# Altium PCB SVPX_FMC_6U_SOM.PcbDoc (part 4 of 9) (continued)
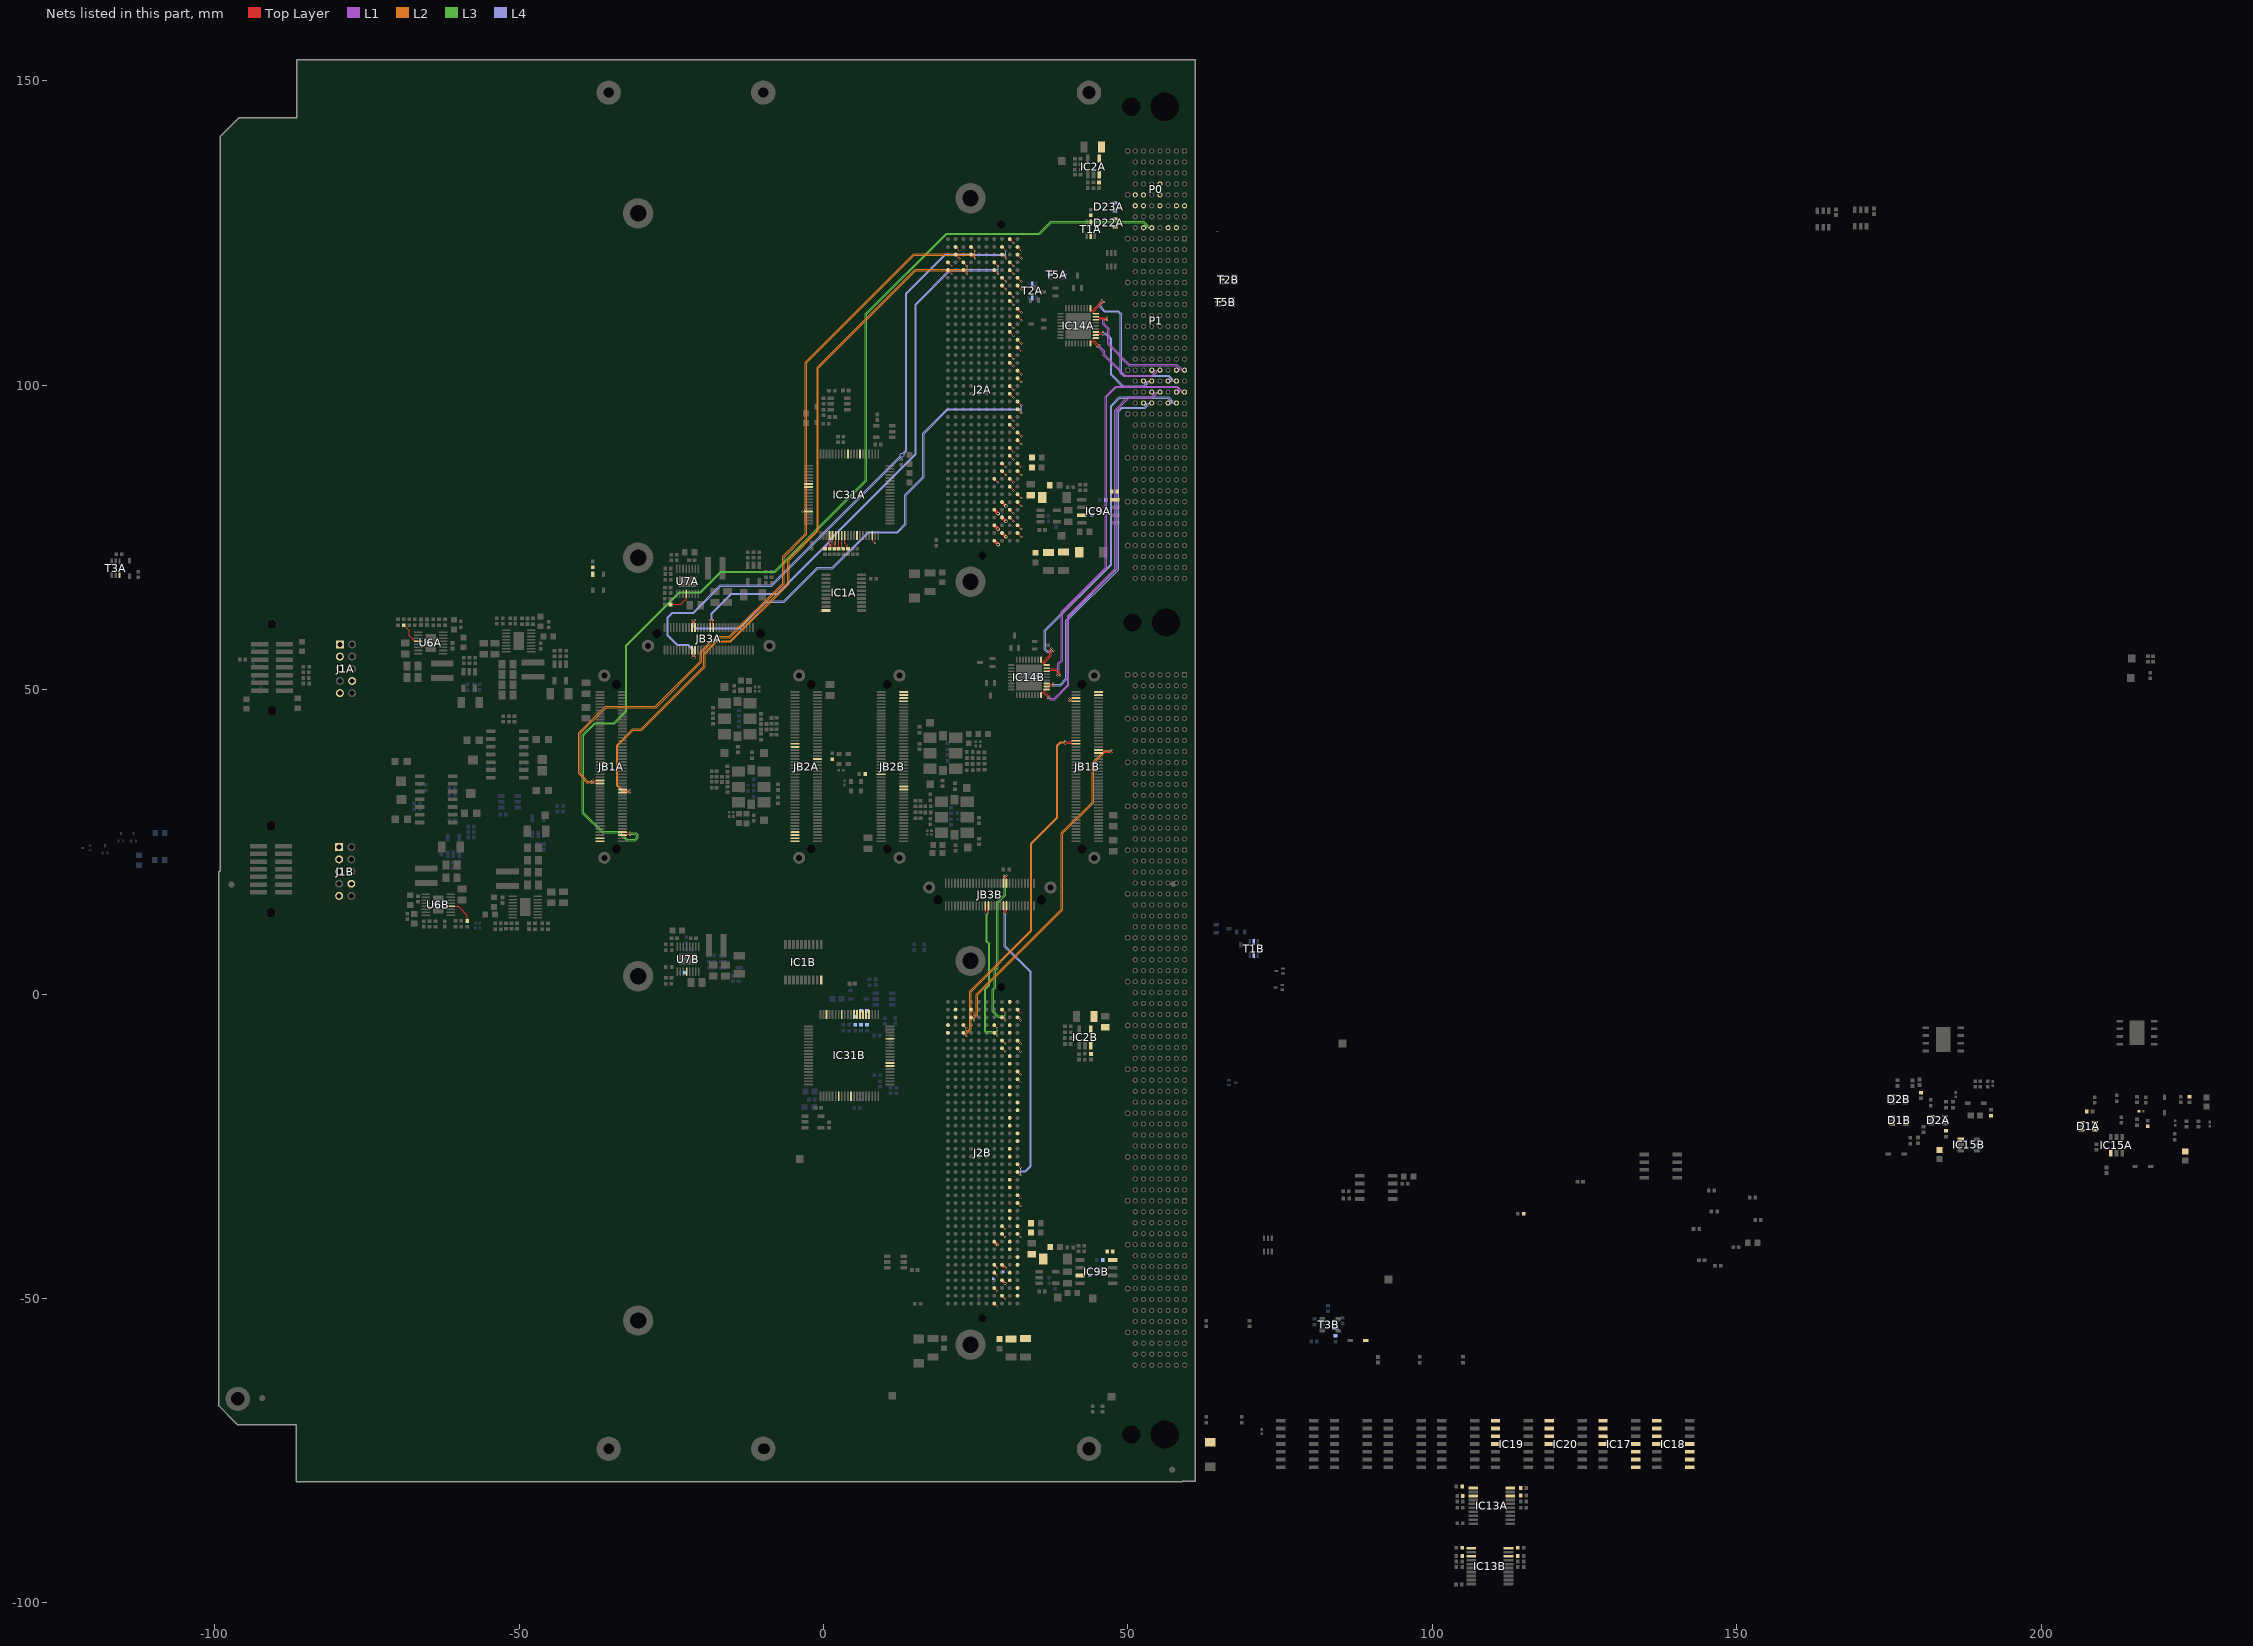
[diagram p12: the nets of this part, all layers, seen from the top]
## Part data (continued)
TP5A TP5B TP6A TP6B TP7A TP7B TP8A TP8B TP9A TP9B TP10A TP10B TP11A TP11B TP13A TP13B TP14A TP14B TP15 TP26: library part SMD_PAD_1.27X1.27MM, Author="CERN DEM JLC", ComponentHeight=0mm, Component Type="Standard (No BOM)", CreateDate=12.01.2008, Family="Test Point", HelpURL=Undefined, LatestRevisionDate=12.01.2008, Mounted=No, PackageDescription="1.27mm x 1.27mm PCB Copper Area (SMD Test Point)", Part Description="1.27mm x 1.27mm PCB Copper Area (SMD Test Point)", Part Number=SMD_PAD_1.27X1.27MM, Pin Count=1, Sense=No, SMD=Yes, Socket=No, Status=None
U1A U1B U6A U6B U7A U7B: library part CMP-0491-01209-1, "2.5 A Synchronous Step-Down Regulator 2.5 uA Quiescent Current, 16-pin SOP (MSE-16-EDP), -40 to 125 degC", Frequency Adjust Range="200kHz - 2.2MHz", Manufacturer="Linear Technology", ComponentLink1Description="Manufacturer URL", ComponentLink1URL=http://www.linear.com/, ComponentLink2Description=Datasheet, ComponentLink2URL=http://cds.linear.com/docs/en/datasheet/8610f.pdf, ComponentLink3Description="Package Specification", ComponentLink3URL=http://cds.linear.com/docs/en/packaging/05081667_F_MSE16.pdf, Mounting Technology="Surface Mount", Number of Outputs=1, PackageDescription="16-Pin Plastic MSOP, Exposed Die Pad, Body 4.039 x 3 mm, Pitch 0.5 mm", PackageReference=MSE-16, PackageVersion="Rev. F, 05/2013", PartNumber=LT8610IMSE, RoHS=FALSE
NT2: Author="CERN DEM JLC", ComponentHeight=0mm, Component Type="Net Tie", CreateDate=22.03.2011, Family="Net Tie", HelpURL=Undefined, LatestRevisionDate=22.03.2011, Mounted=No, PackageDescription="2 Plated Through Hole For Coaxial Cable Link: Hole Dia.=1.4mm Pad Dia.=2.5mm", Part Description="Net Tie (2 Nets)", Part Number="Net Tie", Pin Count=2, Sense=No, SMD=No, Socket=No, Status=None

## Free pads (board coordinates)
  round 4 hole 2.2: 0(-96.196,-66.485) 0(43.604,-74.685) 0(43.604,148.065)
  round 4 hole 1.7: 0(-35.296,-74.685) 0(-35.296,148.065) 0(-9.896,-74.685) 0(-9.896,148.065)
  round 2 hole 1.7: 10(-9.676,-74.685)

## Via types
v1: diameter 0.32, hole 0.16, Top Layer to Bottom Layer, 654 vias
v2: diameter 0.6, hole 0.3, Top Layer to Bottom Layer, 398 vias
v3: diameter 1, hole 0.5, Top Layer to Bottom Layer, 314 vias
v4: diameter 0.3, hole 0.2, Top Layer to Bottom Layer, tented both sides, 270 vias
v5: diameter 0.6, hole 0.5, Top Layer to Bottom Layer, 248 vias
v6: diameter 0.5, hole 0.2, Top Layer to Bottom Layer, 18 vias
v7: diameter 0.3, hole 0.2, Top Layer to Bottom Layer, 18 vias
v8: diameter 0.4, hole 0.3, Top Layer to Bottom Layer, tented both sides, 4 vias

## Nets (pads, with @x,y where several pads share a name; then routed paths per layer and width w, separated by ;. In a path a pad name is that pad's centre, name@x,y a point inside that pad or via, vN(x,y) a via of type N, cw(c..) or ccw(c..) an arc to the next point about the centre after c; other vN are vias at no path point)
3.3V_AUX: C174.2 C204A.2 C204B.2 IC2A.3 IC2A.4 IC2B.3 IC2B.4 P0.D5 R64A.1 R64B.1
3P3VA: C180A.2 C181A.1 C183A.2 C187A.1 J2A.c39 J2A.d36 J2A.d38 J2A.d40 L10A.2 | length 3.6
  Top Layer w0.5: J2A.d40@28.05,74.461 v2(28.685,73.826) ; J2A.d38@28.05,77.001 v2(28.685,76.366) ; J2A.d36@28.05,79.541 v2(28.685,78.906) ; J2A.c39@29.32,75.731 v2(29.955,75.096)
3P3VAUXA: C193A.2 J2A.d32 L3A.2 | length 0.9
  Top Layer w0.127: J2A.d32@28.05,84.621 v1(28.685,83.986)
3P3VAUXB: C193B.2 J2B.d32 L3B.2 | length 0.7
  Top Layer w0.5: J2B.d32@28.05,-40.658 v8(28.55,-41.158)
3P3VB: C180B.2 C181B.1 C183B.2 C187B.1 J2B.c39 J2B.d36 J2B.d38 J2B.d40 L10B.2 | length 2.8
  Top Layer w0.275: J2B.d40@28.05,-50.818 v4(28.55,-51.318) ; J2B.d38@28.05,-48.278 v4(28.55,-48.778) ; J2B.d36@28.05,-45.738 v4(28.55,-46.238) ; J2B.c39@29.32,-49.548 v4(29.82,-50.048)
12P0VA: C189A.2 C190A.1 C192A.2 J2A.c35 J2A.c37 L8A.2 | length 1.8
  Top Layer w0.5: J2A.c37@29.32,78.271 v2(29.955,77.636) ; J2A.c35@29.32,80.811 v2(29.955,80.176)
12P0VB: C189B.2 C190B.1 C192B.2 J2B.c35 J2B.c37 L8B.2 | length 1.4
  Top Layer w0.5: J2B.c37@29.32,-47.008 v8@29.82,-47.508 ; J2B.c35@29.32,-44.468 v8@29.82,-44.968
  other v8: 29.82,-47.521 29.82,-44.981
+12V_AUX_14: P0.D6
-12V_AUX_14: P0.D4
AIN15A: IC31A.7
AIN15B: IC31B.7
AIN16A: IC31A.27
AIN16B: IC31B.27
AIN17A: IC31A.28
AIN17B: IC31B.28
AUX_CLK_N: D23A.2 JB1B.95 P0.C8 | length 1.2
  Top Layer w0.118: v1(40.412,48.56) 40.499,48.472 40.715,48.472 40.842,48.6 JB1B.95@41.475,48.6
AUX_CLK_P: D23A.1 JB1B.93 P0.B8 | length 1.2
  Top Layer w0.118: v1(40.412,48.14) 40.499,48.228 40.715,48.228 40.842,48.1 JB1B.93@41.475,48.1
AUX_CLKA_N: D22A.1 JB1A.95 P0.F8 | length 176.8
  Top Layer w0.118: JB1A.95@-33,26.1 -32.367,26.1 -32.24,26.228 -31.942,26.228 -31.855,26.14 v1(-31.8,26.14)
  L3 w0.078: v1(-31.8,26.14) -31.734,26.14 -31.638,26.236 -30.884,26.236 -30.683,26.035 -30.683,25.73 -31.013,25.4 -32.258,25.4 -33.579,26.721 -36.271,26.721 -39.37,29.82 -39.37,42.469 -37.464,44.375 -34.323,44.375 -32.277,46.42 -32.277,57.232 -23.622,65.888 -20.168,65.888 -16.815,69.24 -7.958,69.24 7.111,84.31 7.111,111.632 20.245,124.766 35.485,124.766 37.414,126.695 52.49,126.695 53.115,126.07 53.115,125.911 53.07,125.865 P0.F8@52.554,125.865
AUX_CLKA_P: D22A.2 JB1A.93 P0.E8 | length 178.7
  Top Layer w0.118: JB1A.93@-33,26.6 -32.367,26.6 -32.24,26.472 -31.942,26.472 -31.855,26.56 v1(-31.8,26.56)
  L3 w0.078: v1(-31.8,26.56) -31.734,26.56 -31.638,26.464 -30.79,26.464 -30.455,26.129 -30.455,25.636 -30.919,25.172 -32.352,25.172 -33.673,26.493 -36.366,26.493 -39.598,29.725 -39.598,42.563 -37.558,44.602 -34.417,44.602 -32.505,46.514 -32.505,57.326 -23.716,66.115 -20.262,66.115 -16.909,69.468 -8.053,69.468 6.883,84.404 6.883,111.726 20.15,124.993 35.39,124.993 37.32,126.923 52.585,126.923 53.343,126.165 53.343,125.911 53.388,125.865 P0.E8@53.904,125.865
CLK0_M2CA_N: J2A.h5 JB1A.65 | length 120.2
  Top Layer w0.118: JB1A.65@-33,33.6 -32.367,33.6 -32.24,33.472 -31.942,33.472 ; J2A.h5@22.97,118.911 v1(23.605,118.276)
  L2 w0.069: v1(-31.8,33.56) -31.866,33.56 -31.966,33.46 -32.91,33.46 -33.772,34.322 -33.772,40.803 -31.225,43.35 -29.838,43.35 -19.415,53.773 -19.415,55.915 -17.5,57.83 -15.241,57.83 -5.648,67.423 -5.648,71.283 -0.828,76.103 -0.828,102.822 15.152,118.802 23.565,118.802 23.605,118.761 v1(23.605,118.276)
CLK0_M2CA_P: J2A.h4 JB1A.67 | length 120.9
  Top Layer w0.118: JB1A.67@-33,33.1 -32.367,33.1 -32.24,33.228 -31.942,33.228 ; J2A.h4@22.97,120.181 v1(23.605,119.546)
  L2 w0.069: v1(-31.8,33.14) -31.866,33.14 -31.966,33.24 -33,33.24 -33.991,34.231 -33.991,40.894 -31.316,43.569 -29.928,43.569 -19.634,53.863 -19.634,56.006 -17.591,58.049 -15.332,58.049 -5.868,67.513 -5.868,71.374 -1.047,76.194 -1.047,102.913 15.061,119.021 23.565,119.021 23.605,119.061 v1(23.605,119.546)
CLK0_M2CB_N: J2B.h5 JB1B.65 | length 57.9
  Top Layer w0.118: J2B.h5@22.97,-6.368 v4(23.47,-6.868) ; v1(39.7,41.14) 39.755,41.14 39.843,41.228 40.715,41.228 40.842,41.1 JB1B.65@41.475,41.1
  L2 w0.078: v4(23.47,-6.868) 23.47,-6.392 23.516,-6.347 23.675,-6.347 24.252,-5.77 24.252,0.401 34.238,10.388 34.238,24.713 38.497,28.972 38.497,40.744 38.989,41.236 39.539,41.236 39.635,41.14 v1(39.7,41.14)
CLK0_M2CB_P: J2B.h4 JB1B.67 | length 57.9
  Top Layer w0.118: J2B.h4@22.97,-5.098 v4(23.47,-5.598) ; v1(39.7,41.56) 39.755,41.56 39.843,41.472 40.715,41.472 40.842,41.6 JB1B.67@41.475,41.6
  L2 w0.078: v4(23.47,-5.598) 23.47,-6.073 23.516,-6.119 23.58,-6.119 24.024,-5.675 24.024,0.495 34.011,10.482 34.011,24.808 38.269,29.066 38.269,40.838 38.895,41.464 39.539,41.464 39.635,41.56 v1(39.7,41.56)
CLK1_M2CA_N: J2A.g3 JB1A.60 | length 129.3
  Top Layer w0.118: v1(-37.928,35.06) -37.874,35.06 -37.786,34.972 -37.46,34.972 -37.333,35.1 JB1A.60@-36.7,35.1 ; J2A.g3@24.24,121.451 v1(24.875,120.816)
  L2 w0.069: v1(-37.928,35.06) -37.994,35.06 -38.094,34.96 -38.81,34.96 -39.175,35.325 -39.175,35.475 -39.975,36.275 -39.975,42.8 -35.719,47.056 -27.509,47.056 -20.025,54.54 -20.025,56.138 -17.641,58.521 -15.382,58.521 -6.483,67.419 -6.483,71.783 -2.775,75.491 -2.775,103.675 14.892,121.342 24.835,121.342 24.875,121.301 v1(24.875,120.816)
CLK1_M2CA_P: J2A.g2 JB1A.62 | length 130.1
  Top Layer w0.118: v1(-37.928,34.64) -37.874,34.64 -37.786,34.728 -37.46,34.728 -37.333,34.6 JB1A.62@-36.7,34.6 ; J2A.g2@24.24,122.721 v1(24.875,122.086)
  L2 w0.069: v1(-37.928,34.64) -37.994,34.64 -38.094,34.74 -38.9,34.74 -39.394,35.234 -39.394,35.384 -40.194,36.184 -40.194,42.891 -35.81,47.275 -27.6,47.275 -20.244,54.631 -20.244,56.228 -17.732,58.74 -15.473,58.74 -6.703,67.51 -6.703,71.873 -2.994,75.582 -2.994,103.766 14.801,121.561 24.835,121.561 24.875,121.601 v1(24.875,122.086)
CLK1_M2CB_N: J2B.g3 JB1B.60 | length 57.1
  Top Layer w0.118: J2B.g3@24.24,-3.828 v4(24.74,-4.328) ; JB1B.60@45.175,39.6 45.808,39.6 45.935,39.728 46.184,39.728 47.152,39.728 47.24,39.64 v1(47.295,39.64)
  L2 w0.078: v4(24.74,-4.328) 24.74,-3.852 24.786,-3.807 24.945,-3.807 25.342,-3.409 25.342,-0.109 39.293,13.842 39.293,26.39 44.348,31.444 44.348,37.883 46.201,39.736 47.133,39.736 47.229,39.64 v1(47.295,39.64)
CLK1_M2CB_P: J2B.g2 JB1B.62 | length 57.1
  Top Layer w0.118: J2B.g2@24.24,-2.558 v4(24.74,-3.058) ; JB1B.62@45.175,40.1 45.808,40.1 45.935,39.972 46.285,39.972 47.152,39.972 47.24,40.06 v1(47.295,40.06)
  L2 w0.078: v4(24.74,-3.058) 24.74,-3.533 24.786,-3.579 24.85,-3.579 25.115,-3.315 25.115,-0.014 39.065,13.936 39.065,26.484 44.12,31.539 44.12,37.977 46.107,39.964 47.133,39.964 47.229,40.06 v1(47.295,40.06)
CLK2_BIDIRA_N: J2A.k5 | length 0.9
  Top Layer w0.118: J2A.k5@20.43,118.911 v1(21.065,118.276)
CLK2_BIDIRA_P: J2A.k4 | length 0.9
  Top Layer w0.118: J2A.k4@20.43,120.181 v1(21.065,119.546)
CLK2_BIDIRB_N: J2B.k5
CLK2_BIDIRB_P: J2B.k4
CLK3_BIDIRA_N: J2A.j3 | length 0.9
  Top Layer w0.118: J2A.j3@21.7,121.451 v1(22.335,120.816)
CLK3_BIDIRA_P: J2A.j2 | length 0.9
  Top Layer w0.118: J2A.j2@21.7,122.721 v1(22.335,122.086)
CLK3_BIDIRB_N: J2B.j3
CLK3_BIDIRB_P: J2B.j2
CLK_100MA: JB2A.45 R118A.2
CLK_100MB: JB2B.45 R118B.2
CLK_DIRA: J2A.b1 | length 0.9
  Top Layer w0.127: J2A.b1@30.59,123.991 v1(31.225,123.356)
CLK_DIRB: J2B.b1
CPtp01-DA_N: IC14B.8 P1.B15 | length 65.5
  Top Layer w0.118: IC14B.8@36.647,53.524 37.055,53.524 37.182,53.396 38.162,53.396 38.737,52.82 38.737,52.492 38.825,52.404 v1(38.825,52.349)
  L1 w0.078: v1(38.825,52.349) 38.825,52.415 38.729,52.511 38.729,54.223 39.277,54.771 39.277,62.678 46.507,69.908 46.507,98.069 48.067,99.629 57.988,99.629 58.515,99.102 58.515,98.911 58.469,98.865 P1.B15@57.954,98.865
CPtp01-DA_P: IC14B.7 P1.A15 | length 65.9
  Top Layer w0.118: IC14B.7@36.647,53.024 37.055,53.024 37.182,53.151 38.06,53.151 38.492,52.719 38.492,52.492 38.405,52.404 v1(38.405,52.349)
  L1 w0.078: v1(38.405,52.349) 38.405,52.415 38.501,52.511 38.501,54.317 39.049,54.866 39.049,62.773 46.279,70.003 46.279,98.164 46.413,98.298 47.973,99.857 58.082,99.857 58.743,99.196 58.743,98.911 58.789,98.865 P1.A15@59.304,98.865
CPtp01-DB_N: IC14B.1 P1.E15 | length 62.8
  Top Layer w0.118: IC14B.1@36.647,50.024 36.321,50.024 36.178,49.88 36.178,49.766 36.558,49.386 36.991,48.953 37.115,48.953 v1(37.154,48.914)
  L1 w0.078: v1(37.154,48.914) 37.2,48.868 37.2,48.732 37.333,48.599 37.862,48.599 40.091,50.827 40.091,62.138 47.829,69.876 47.829,95.903 47.962,96.037 50.006,98.08 53.885,98.08 54.465,98.66 54.465,98.82 54.419,98.865 P1.E15@53.904,98.865
CPtp01-DB_P: IC14B.36 P1.D15 | length 63.4
  Top Layer w0.118: IC14B.36@35.747,49.124 35.747,49.449 35.891,49.593 36.005,49.593 36.457,49.141 36.818,48.78 36.818,48.656 v1(36.857,48.617)
  L1 w0.078: v1(36.857,48.617) 36.903,48.571 37.039,48.571 37.238,48.371 37.957,48.371 40.319,50.733 40.319,62.043 48.057,69.781 48.057,95.809 50.1,97.852 53.98,97.852 54.693,98.566 54.693,98.82 54.739,98.865 P1.D15@55.254,98.865
CPtp01-DC_N: IC14B.10 P1.C16 | length 60.6
  Top Layer w0.118: IC14B.10@35.747,54.924 35.747,54.598 35.891,54.454 36.005,54.454 36.503,54.953 37.195,55.644 37.195,56.359 37.434,56.599 37.434,56.722 v1(37.473,56.761)
  L4 w0.078: v1(37.473,56.761) 37.427,56.715 37.427,56.579 37.21,56.363 36.805,56.363 36.525,56.642 36.525,59.672 47.371,70.518 47.371,96.545 48.692,97.866 56.573,97.866 57.165,97.274 57.165,97.111 57.12,97.065 P1.C16@56.604,97.065
CPtp01-DC_P: IC14B.9 P1.B16 | length 61.9
  Top Layer w0.118: IC14B.9@36.647,54.024 36.321,54.024 36.178,54.167 36.178,54.281 36.748,54.852 37.44,55.543 37.44,56.258 37.607,56.426 37.731,56.426 v1(37.77,56.464)
  L4 w0.078: v1(37.77,56.464) 37.724,56.418 37.588,56.418 37.304,56.134 36.71,56.134 36.297,56.547 36.297,59.767 47.143,70.612 47.143,96.64 48.597,98.094 ; 48.597,98.094 48.786,98.094 56.667,98.094 57.393,97.369 57.393,97.111 57.438,97.065 P1.B16@57.954,97.065
CPtp01-DD_N: IC14B.3 P1.F16 | length 57.1
  Top Layer w0.118: IC14B.3@36.647,51.024 37.055,51.024 37.182,50.896 37.551,50.896 37.639,50.984 v1(37.694,50.984)
  L4 w0.078: v1(37.694,50.984) 37.759,50.984 37.855,50.888 38.848,50.888 39.828,51.867 39.828,61.392 48.26,69.825 48.26,95.7 48.965,96.405 52.691,96.405 52.832,96.546 53.115,96.829 53.115,97.02 53.069,97.065 P1.F16@52.554,97.065
CPtp01-DD_P: IC14B.2 P1.E16 | length 57.7
  Top Layer w0.118: IC14B.2@36.647,50.524 37.055,50.524 37.182,50.651 37.551,50.651 37.639,50.564 v1(37.694,50.564)
  L4 w0.078: v1(37.694,50.564) 37.759,50.564 37.855,50.659 38.943,50.659 40.056,51.773 40.056,61.298 48.489,69.73 48.489,95.606 49.059,96.176 52.785,96.176 52.926,96.317 ; 52.824,96.216 53.343,96.734 53.343,97.02 53.389,97.065 P1.E16@53.904,97.065
CPtp02-DA_N: IC14A.8 P1.B13 | length 21.5
  Top Layer w0.118: IC14A.8@44.732,111.246 45.14,111.246 45.268,111.119 46.101,111.119 46.188,111.031 46.416,111.031 46.503,111.119 v1(46.558,111.119)
  L1 w0.078: v1(46.558,111.119) 46.493,111.119 46.397,111.023 46.118,111.023 45.846,110.751 45.846,110.015 46.686,109.176 46.686,106.687 50.143,103.23 57.957,103.23 58.515,102.672 58.515,102.511 58.469,102.465 P1.B13@57.954,102.465
CPtp02-DA_P: IC14A.7 P1.A13 | length 21.1
  Top Layer w0.118: IC14A.7@44.732,110.746 45.14,110.746 45.268,110.874 45.999,110.874 46.087,110.786 46.416,110.786 46.503,110.699 v1(46.558,110.699)
  L1 w0.078: v1(46.558,110.699) 46.493,110.699 46.397,110.794 46.213,110.794 46.075,110.656 46.075,110.11 46.914,109.271 46.914,106.782 50.238,103.458 58.051,103.458 58.743,102.766 58.743,102.511 58.789,102.465 P1.A13@59.304,102.465
CPtp02-DB_N: IC14A.1 P1.E13 | length 14.7
  Top Layer w0.118: IC14A.1@44.732,107.746 44.407,107.746 44.263,107.603 44.263,107.488 44.676,107.075 45.143,106.609 45.267,106.609 v1(45.305,106.57)
  L1 w0.078: v1(45.305,106.57) 45.352,106.524 45.352,106.388 46.203,105.537 46.203,105.004 49.548,101.658 53.894,101.658 54.465,102.229 54.465,102.42 54.419,102.465 P1.E13@53.904,102.465
CPtp02-DB_P: IC14A.36 P1.D13 | length 15.2
  Top Layer w0.118: IC14A.36@43.832,106.846 43.832,107.172 43.976,107.315 44.09,107.315 44.575,106.83 44.97,106.436 44.97,106.312 v1(45.008,106.273)
  L1 w0.078: v1(45.008,106.273) 45.055,106.227 45.19,106.227 45.974,105.443 45.974,104.909 49.454,101.43 53.989,101.43 54.693,102.134 54.693,102.42 54.739,102.465 P1.D13@55.254,102.465
CPtp02-DC_N: IC14A.10 P1.C14 | length 27.6
  Top Layer w0.118: IC14A.10@43.832,112.646 43.832,112.32 43.976,112.177 44.09,112.177 44.888,112.975 45.739,113.826 45.739,113.95 v1(45.778,113.988)
  L4 w0.078: v1(45.778,113.988) 45.731,113.942 45.731,113.807 45.625,113.7 45.366,113.441 45.366,112.8 46.126,112.04 48.31,112.04 48.718,111.633 48.718,101.988 49.276,101.43 56.607,101.43 57.165,100.872 57.165,100.711 57.119,100.665 P1.C14@56.604,100.665
CPtp02-DC_P: IC14A.9 P1.B14 | length 27.5
  Top Layer w0.118: IC14A.9@44.732,111.746 44.407,111.746 44.263,111.89 44.263,112.004 45.133,112.873 45.912,113.653 46.036,113.653 v1(46.075,113.691)
  L4 w0.078: v1(46.075,113.691) 46.028,113.645 45.893,113.645 45.72,113.472 45.594,113.346 45.594,112.895 46.221,112.268 48.405,112.268 48.946,111.727 48.946,102.083 49.371,101.658 56.701,101.658 57.393,100.966 57.393,100.711 57.439,100.665 P1.B14@57.954,100.665
CPtp02-DD_N: IC14A.3 P1.F14 | length 16.5
  Top Layer w0.118: IC14A.3@44.732,108.746 45.14,108.746 45.268,108.619 45.755,108.619 45.843,108.706 v1(45.898,108.706)
  L4 w0.078: v1(45.898,108.706) 45.963,108.706 46.059,108.61 46.373,108.61 47.371,107.613 47.371,101.778 49.251,99.898 52.585,99.898 53.115,100.429 53.115,100.62 53.069,100.665 P1.F14@52.554,100.665
CPtp02-DD_P: IC14A.2 P1.E14 | length 16.9
  Top Layer w0.118: IC14A.2@44.732,108.246 45.14,108.246 45.268,108.374 45.755,108.374 45.843,108.286 v1(45.898,108.286)
  L4 w0.078: v1(45.898,108.286) 45.963,108.286 46.059,108.382 46.279,108.382 47.142,107.518 47.142,101.684 49.156,99.67 52.679,99.67 53.343,100.334 53.343,100.62 53.389,100.665 P1.E14@53.904,100.665
DIS_LVDSA: JB1A.98 R85A.2 T1A.2 T1A.5 T2A.2 T2A.5 T3A.3 T5A.2 T5A.5
DIS_LVDSB: JB1B.98 R85B.2 T1B.2 T1B.5 T2B.2 T2B.5 T3B.3 T5B.2 T5B.5
DP0_C2MA_N: J2A.c3 JB3A.22 | length 107.7
  Top Layer w0.167: v1(-21.14,55.25) -21.169,55.279 -21.169,55.44 -21.203,55.474 -21.203,55.761 -21.1,55.864 JB3A.22@-21.1,56.5 ; J2A.c3@29.32,121.451 v1(29.955,120.816)
  L4 w0.086: v1(-21.14,55.25) -21.14,55.305 -21.252,55.417 -21.252,56.503 -22.216,57.467 -24.042,57.467 -25.475,58.9 -25.475,61.825 -24.75,62.55 -21.35,62.55 -16.886,67.013 -8.504,67.013 12.751,88.268 12.803,88.216 13.054,88.216 13.232,88.393 13.232,88.645 13.179,88.697 13.682,89.2 13.682,89.577 13.679,89.58 13.679,89.947 13.682,89.95 13.682,115.057 19.979,121.354 29.905,121.354 29.955,121.303 v1(29.955,120.816)
DP0_C2MA_P: J2A.c2 JB3A.20 | length 107.9
  Top Layer w0.167: JB3A.20@-21.6,56.5 -21.6,55.864 -21.496,55.761 -21.496,55.474 -21.53,55.44 -21.53,55.279 v1(-21.56,55.25) ; J2A.c2@29.32,122.721 v1(29.955,122.086)
  L4 w0.086: v1(-21.56,55.25) -21.56,55.305 -21.447,55.417 -21.447,56.422 -22.297,57.272 -24.122,57.272 -25.67,58.819 -25.67,61.906 -24.831,62.745 -21.431,62.745 -16.967,67.208 -8.585,67.208 12.626,88.419 12.626,88.645 12.803,88.822 13.028,88.822 13.487,89.281 13.487,89.496 13.484,89.499 13.484,90.028 13.487,90.031 13.487,115.138 19.898,121.549 29.905,121.549 29.955,121.599 v1(29.955,122.086)
DP0_C2MB_N: J2B.c3 JB3B.22 | length 28.3
  Top Layer w0.167: J2B.c3@29.32,-3.828 v4(29.82,-4.328) ; JB3B.22@29.575,18.2 29.575,18.836 29.678,18.939 29.678,19.258 29.644,19.292 29.644,19.453 v1(29.615,19.482)
  L3 w0.086: v1(29.615,19.482) 29.615,19.426 29.727,19.314 29.727,16.341 28.481,15.095 28.481,4.3 28.074,3.893 28.074,1.092 27.737,0.755 27.737,-2.936 28.592,-3.791 29.77,-3.791 29.82,-3.841 v4(29.82,-4.328)
DP0_C2MB_P: J2B.c2 JB3B.20 | length 28
  Top Layer w0.167: J2B.c2@29.32,-2.558 v4(29.82,-3.058) ; v1(30.035,19.482) 30.005,19.453 30.005,19.292 29.971,19.258 29.971,18.939 30.075,18.836 JB3B.20@30.075,18.2
  L3 w0.086: v4(29.82,-3.058) 29.82,-3.544 29.77,-3.595 28.673,-3.595 27.933,-2.854 27.933,0.674 28.27,1.011 28.27,3.812 28.677,4.219 28.677,15.014 29.922,16.26 29.922,19.314 30.035,19.426 v1(30.035,19.482)
DP0_M2CA_N: J2A.c7 | length 0.9
  Top Layer w0.118: J2A.c7@29.32,116.371 v1(29.955,115.736)
DP0_M2CA_P: J2A.c6 | length 0.9
  Top Layer w0.118: J2A.c6@29.32,117.641 v1(29.955,117.006)
DP0_M2CB_N: J2B.c7 | length 0.7
  Top Layer w0.167: J2B.c7@29.32,-8.908 v4(29.82,-9.408)
DP0_M2CB_P: J2B.c6 | length 0.7
  Top Layer w0.167: J2B.c6@29.32,-7.638 v4(29.82,-8.138)
DP1_C2MA_N: J2A.a23 JB3A.19 | length 79.8
  Top Layer w0.167: JB3A.19@-21.6,60.2 -21.6,60.836 -21.496,60.939 -21.496,61.205 -21.53,61.239 -21.53,61.399 v1(-21.56,61.428) ; J2A.a23@31.86,96.051 v1(32.495,95.416)
  L4 w0.086: v1(-21.56,61.428) -21.56,61.374 -21.447,61.261 -21.447,60.469 -20.958,59.98 -13.782,59.98 -9.398,64.364 -6.436,64.364 -0.926,69.874 1.547,69.874 7.416,75.743 12.188,75.743 13.57,77.124 13.57,81.896 16.525,84.851 16.525,92.043 20.436,95.954 22.015,95.954 22.037,95.932 27.353,95.932 27.375,95.954 32.445,95.954 32.495,95.903 v1(32.495,95.416)
DP1_C2MA_P: J2A.a22 JB3A.21 | length 79.5
  Top Layer w0.167: v1(-21.14,61.428) -21.169,61.399 -21.169,61.239 -21.203,61.205 -21.203,60.939 -21.1,60.836 JB3A.21@-21.1,60.2 ; J2A.a22@31.86,97.321 v1(32.495,96.686)
  L4 w0.086: v1(-21.14,61.428) -21.14,61.374 -21.252,61.261 -21.252,60.55 -20.877,60.175 -13.862,60.175 -9.479,64.559 -6.516,64.559 -1.006,70.069 1.466,70.069 7.336,75.938 12.108,75.938 13.375,77.205 13.375,81.977 16.33,84.932 16.33,92.124 20.355,96.149 22.096,96.149 22.118,96.127 27.272,96.127 27.294,96.149 32.445,96.149 32.495,96.199 v1(32.495,96.686)
DP1_C2MB_N: J2B.a23 JB3B.19 | length 48
  Top Layer w0.167: v1(30.035,13.272) 30.005,13.301 30.005,13.461 29.971,13.495 29.971,13.761 30.075,13.864 JB3B.19@30.075,14.5 ; J2B.a23@31.86,-29.228 v4(32.36,-29.728)
  L4 w0.086: v1(30.035,13.272) 30.035,13.217 29.922,13.104 29.922,7.873 34.155,3.64 34.155,-28.249 33.214,-29.19 32.411,-29.19 32.36,-29.241 v4(32.36,-29.728)
DP1_C2MB_P: J2B.a22 JB3B.21 | length 47.7
  Top Layer w0.167: JB3B.21@29.575,14.5 29.575,13.864 29.678,13.761 29.678,13.495 29.644,13.461 29.644,13.301 v1(29.615,13.272) ; J2B.a22@31.86,-27.958 v4(32.36,-28.458)
  L4 w0.086: v1(29.615,13.272) 29.615,13.217 29.727,13.104 29.727,7.792 33.96,3.56 33.96,-28.169 33.133,-28.995 32.411,-28.995 32.36,-28.945 v4(32.36,-28.458)
DP1_M2CA_N: J2A.a3 | length 0.9
  Top Layer w0.118: J2A.a3@31.86,121.451 v1(32.495,120.816)
DP1_M2CA_P: J2A.a2 | length 0.9
  Top Layer w0.118: J2A.a2@31.86,122.721 v1(32.495,122.086)
DP1_M2CB_N: J2B.a3 | length 0.7
  Top Layer w0.167: J2B.a3@31.86,-3.828 v4(32.36,-4.328)
DP1_M2CB_P: J2B.a2 | length 0.7
  Top Layer w0.167: J2B.a2@31.86,-2.558 v4(32.36,-3.058)
DP2_C2MA_N: J2A.a27 | length 0.9
  Top Layer w0.118: J2A.a27@31.86,90.971 v1(32.495,90.336)
DP2_C2MA_P: J2A.a26 | length 0.9
  Top Layer w0.118: J2A.a26@31.86,92.241 v1(32.495,91.606)
DP2_C2MB_N: J2B.a27 | length 0.7
  Top Layer w0.167: J2B.a27@31.86,-34.308 v4(32.36,-34.808)
DP2_C2MB_P: J2B.a26 | length 0.7
  Top Layer w0.167: J2B.a26@31.86,-33.038 v4(32.36,-33.538)
DP2_M2CA_N: J2A.a7 | length 0.9
  Top Layer w0.118: J2A.a7@31.86,116.371 v1(32.495,115.736)
DP2_M2CA_P: J2A.a6 | length 0.9
  Top Layer w0.118: J2A.a6@31.86,117.641 v1(32.495,117.006)
DP2_M2CB_N: J2B.a7 | length 0.7
  Top Layer w0.167: J2B.a7@31.86,-8.908 v4(32.36,-9.408)
DP2_M2CB_P: J2B.a6 | length 0.7
  Top Layer w0.167: J2B.a6@31.86,-7.638 v4(32.36,-8.138)
DP3_C2MA_N: J2A.a31 | length 0.9
  Top Layer w0.118: J2A.a31@31.86,85.891 v1(32.495,85.256)
DP3_C2MA_P: J2A.a30 | length 0.9
  Top Layer w0.118: J2A.a30@31.86,87.161 v1(32.495,86.526)
DP3_C2MB_N: J2B.a31
  other v4: 32.36,-39.888
DP3_C2MB_P: J2B.a30
  other v4: 32.36,-38.618
DP3_M2CA_N: J2A.a11 | length 0.9
  Top Layer w0.118: J2A.a11@31.86,111.291 v1(32.495,110.656)
DP3_M2CA_P: J2A.a10 | length 0.9
  Top Layer w0.118: J2A.a10@31.86,112.561 v1(32.495,111.926)
DP3_M2CB_N: J2B.a11 | length 0.7
  Top Layer w0.167: J2B.a11@31.86,-13.988 v4(32.36,-14.488)
DP3_M2CB_P: J2B.a10 | length 0.7
  Top Layer w0.167: J2B.a10@31.86,-12.718 v4(32.36,-13.218)
DP4_C2MA_N: J2A.a35 | length 0.9
  Top Layer w0.118: J2A.a35@31.86,80.811 v1(32.495,80.176)
DP4_C2MA_P: J2A.a34 | length 0.9
  Top Layer w0.118: J2A.a34@31.86,82.081 v1(32.495,81.446)
DP4_C2MB_N: J2B.a35
DP4_C2MB_P: J2B.a34
DP4_M2CA_N: J2A.a15 | length 0.9
  Top Layer w0.118: J2A.a15@31.86,106.211 v1(32.495,105.576)
DP4_M2CA_P: J2A.a14 | length 0.9
  Top Layer w0.118: J2A.a14@31.86,107.481 v1(32.495,106.846)
DP4_M2CB_N: J2B.a15
DP4_M2CB_P: J2B.a14
DP5_C2MA_N: J2A.a39 | length 0.9
  Top Layer w0.118: J2A.a39@31.86,75.731 v1(32.495,75.096)
DP5_C2MA_P: J2A.a38 | length 0.9
  Top Layer w0.118: J2A.a38@31.86,77.001 v1(32.495,76.366)
DP5_C2MB_N: J2B.a39
DP5_C2MB_P: J2B.a38
DP5_M2CA_N: J2A.a19 | length 0.9
  Top Layer w0.118: J2A.a19@31.86,101.131 v1(32.495,100.496)
DP5_M2CA_P: J2A.a18 | length 0.9
  Top Layer w0.118: J2A.a18@31.86,102.401 v1(32.495,101.766)
DP5_M2CB_N: J2B.a19
DP5_M2CB_P: J2B.a18
DP6_C2MA_N: J2A.b37 | length 0.9
  Top Layer w0.118: J2A.b37@30.59,78.271 v1(31.225,77.636)
DP6_C2MA_P: J2A.b36 | length 0.9
  Top Layer w0.118: J2A.b36@30.59,79.541 v1(31.225,78.906)
DP6_C2MB_N: J2B.b37
DP6_C2MB_P: J2B.b36
DP6_M2CA_N: J2A.b17 | length 0.9
  Top Layer w0.118: J2A.b17@30.59,103.671 v1(31.225,103.036)
DP6_M2CA_P: J2A.b16 | length 0.9
  Top Layer w0.118: J2A.b16@30.59,104.941 v1(31.225,104.306)
DP6_M2CB_N: J2B.b17
DP6_M2CB_P: J2B.b16
DP7_C2MA_N: J2A.b33 | length 0.9
  Top Layer w0.118: J2A.b33@30.59,83.351 v1(31.225,82.716)
DP7_C2MA_P: J2A.b32 | length 0.9
  Top Layer w0.118: J2A.b32@30.59,84.621 v1(31.225,83.986)
DP7_C2MB_N: J2B.b33
DP7_C2MB_P: J2B.b32
DP7_M2CA_N: J2A.b13 | length 0.9
  Top Layer w0.118: J2A.b13@30.59,108.751 v1(31.225,108.116)
DP7_M2CA_P: J2A.b12 | length 0.9
  Top Layer w0.118: J2A.b12@30.59,110.021 v1(31.225,109.386)
DP7_M2CB_N: J2B.b13
DP7_M2CB_P: J2B.b12
DP8_C2MA_N: J2A.b29 | length 0.9
  Top Layer w0.118: J2A.b29@30.59,88.431 v1(31.225,87.796)
DP8_C2MA_P: J2A.b28 | length 0.9
  Top Layer w0.118: J2A.b28@30.59,89.701 v1(31.225,89.066)
DP8_C2MB_N: J2B.b29
DP8_C2MB_P: J2B.b28
DP8_M2CA_N: J2A.b9 | length 0.9
  Top Layer w0.118: J2A.b9@30.59,113.831 v1(31.225,113.196)
DP8_M2CA_P: J2A.b8 | length 0.9
  Top Layer w0.118: J2A.b8@30.59,115.101 v1(31.225,114.466)
DP8_M2CB_N: J2B.b9
DP8_M2CB_P: J2B.b8
DP9_C2MA_N: J2A.b25 | length 0.9
  Top Layer w0.118: J2A.b25@30.59,93.511 v1(31.225,92.876)
DP9_C2MA_P: J2A.b24 | length 0.9
  Top Layer w0.118: J2A.b24@30.59,94.781 v1(31.225,94.146)
DP9_C2MB_N: J2B.b25
DP9_C2MB_P: J2B.b24
DP9_M2CA_N: J2A.b5 | length 0.9
  Top Layer w0.118: J2A.b5@30.59,118.911 v1(31.225,118.276)
DP9_M2CA_P: J2A.b4 | length 0.9
  Top Layer w0.118: J2A.b4@30.59,120.181 v1(31.225,119.546)
DP9_M2CB_N: J2B.b5
DP9_M2CB_P: J2B.b4
EN_IFCA: D7A.2 IC1A.10 R110A.1 | length 1
  Top Layer w0.127: v1(-0.533,62.84) -0.53,62.843 0.25,62.843 IC1A.10@0.412,63.005
EN_IFCB: D7B.2 IC1B.10 R110B.1
EN_P2V5A: R60A.2 U6A.4 | length 4
  Top Layer w0.127: R60A.2@-68.95,60.605 -68.93,60.605 -68.703,60.378 -68.703,60.358 -68.005,59.66 -68.005,58.872 -67.464,58.331 -67.464,58.297 -67.212,58.045 -67.212,58.022 -67.117,57.927 U6A.4@-66.576,57.927
EN_P2V5B: R60B.2 U6B.4 | length 4.3
  Top Layer w0.127: U6B.4@-61.217,14.427 -60.02,14.427 -58.496,12.903 R60B.2@-58.496,12.002
EN_P3V3A: R89A.2 U7A.4 | length 3.8
  Top Layer w0.203: R89A.2@-25.13,64 -23.422,64 -22.752,64.67 -22.752,64.681 -22.575,64.858 U7A.4@-22.575,65.725
EN_P3V3B: R89B.2 U7B.4
EXT_RST_1A: C206A.2 IC31A.53
EXT_RST_1B: C206B.2 IC31B.53
FLASH_GOLDENnA: IC31A.11
FLASH_GOLDENnB: IC31B.11
FMC_P12V0_MSP430A: IC31A.36 R63A.1 | length 1
  Top Layer w0.127: v1@-3.479,79.274 IC31A.36@-2.45,79.275
  other v1: -3.48,79.273
FMC_P12V0_MSP430B: IC31B.36 R63B.1
FMC_P12V0_ONnA: IC9A.4 JB1A.100 R63A.2 R83A.2
FMC_P12V0_ONnB: IC9B.4 JB1B.100 R63B.2 R83B.2
FMC_P12V0_OVCnA: IC9A.7 IC31A.58 R81A.2 | length 1.4
  Top Layer w0.127: IC31A.58@8,75.325 8.086,75.239 8.086,74.464 v1(8.433,74.117)
FMC_P12V0_OVCnB: IC9B.7 IC31B.58 R81B.2
FMC_SCL_2V5A: IC13A.1 JB2A.36 R34A.2
FMC_SCL_2V5B: IC13B.1 JB2B.36 R34B.2
FMC_SCLA: IC13A.20 J2A.c30 R35A.1 | length 0.9
  Top Layer w0.127: J2A.c30@29.32,87.161 v1(29.955,86.526)
FMC_SCLB: IC13B.20 J2B.c30 R35B.1 | length 0.7
  Top Layer w0.275: J2B.c30@29.32,-38.118 v4(29.82,-38.618)
FMC_SDA_2V5A: IC13A.3 JB2A.38 R36A.2
FMC_SDA_2V5B: IC13B.3 JB2B.38 R36B.2
FMC_SDAA: IC13A.18 J2A.c31 R37A.1 | length 0.9
  Top Layer w0.127: J2A.c31@29.32,85.891 v1(29.955,85.256)
FMC_SDAB: IC13B.18 J2B.c31 R37B.1 | length 0.7
  Top Layer w0.275: J2B.c31@29.32,-39.388 v4(29.82,-39.888)
FPGA_RSTA: IC15A.1 R116A.1
FPGA_RSTB: IC15B.1 R116B.1
FPGA_TCKA: D1A.4 J1A.1 JB2A.100 R82A.2
FPGA_TCKB: D1B.4 J1B.1 JB2B.100 R82B.2
FPGA_TDIA: D1A.3 J1A.9 JB2A.96
FPGA_TDIB: D1B.3 J1B.9 JB2B.96
FPGA_TDOA: D1A.6 J1A.3 JB2A.98
FPGA_TDOB: D1B.6 J1B.3 JB2B.98
FPGA_TMSA: D2A.1 J1A.5 JB2A.94
FPGA_TMSB: D2B.1 J1B.5 JB2B.94
FPGA_TRSTA: D1A.1 J1A.8 R84A.2
FPGA_TRSTB: D1B.1 J1B.8 R84B.2
GA0*: IC17.1 IC18.1 P0.A6
GA0*_A: IC17.2 IC31A.44 R130A.1 | length 2.6
  Top Layer w0.127: R130A.1@0.261,73.145 0.281,73.145 0.508,73.371 0.508,73.483 0.749,73.725 0.963,73.725 1.021,73.782 1.021,75.304 IC31A.44@1,75.325
  other v1: 1.041,73.762
GA0*_B: IC18.2 IC31B.44 R130B.1
GA1*: IC17.4 IC18.4 P0.B6
GA1*_A: IC17.3 IC31A.45 R131A.1 | length 2.4
  Top Layer w0.127: R131A.1@1.036,73.145 1.056,73.145 1.283,73.371 1.283,73.51 1.422,73.65 v1(1.422,74.371) 1.459,74.408 1.459,75.284 IC31A.45@1.5,75.325
GA1*_B: IC18.3 IC31B.45 R131B.1
GA1B: J2B.d35 | length 0.7
  Top Layer w0.254: J2B.d35@28.05,-44.468 v4(28.55,-44.968)
GA2*: IC17.8 IC18.8 P0.F6
GA2*_A: IC17.9 IC31A.46 R132A.1 | length 2.3
  Top Layer w0.127: R132A.1@1.786,73.145 1.905,73.264 v1(1.905,74.016) 1.942,74.053 1.942,74.297 2.016,74.371 2.016,75.309 IC31A.46@2,75.325
GA2*_B: IC18.9 IC31B.46 R132B.1
GA3*: IC17.11 IC18.11 P0.G6
GA3*_A: IC17.10 IC31A.47 R133A.1 | length 2.2
  Top Layer w0.127: IC31A.47@2.5,75.325 2.507,75.318 2.507,73.947 2.515,73.939 2.515,73.148 R133A.1@2.511,73.145
GA3*_B: IC18.10 IC31B.47 R133B.1
GA4*: IC19.1 IC20.1 P0.F5
GA4*_A: IC19.2 IC31A.48 R134A.1 | length 2.3
  Top Layer w0.127: IC31A.48@3,75.325 2.999,75.324 2.999,74.347 v1(2.997,74.346) 3.01,74.333 3.01,73.371 R134A.1@3.236,73.145
GA4*_B: IC20.2 IC31B.48 R134B.1
GAP*: IC19.4 IC20.4 P0.G5
GAP*_A: IC19.3 IC31A.49 R135A.1 | length 2.4
  Top Layer w0.127: IC31A.49@3.5,75.325 3.503,75.322 3.503,73.993 v1(3.658,73.838) 3.71,73.838 3.932,73.616 3.932,73.225 R135A.1@4.011,73.145
GAP*_B: IC20.3 IC31B.49 R135B.1
GBTCLK0_M2CA_N: J2A.d5 JB3A.33 | length 88.6
  Top Layer w0.118: J2A.d5@28.05,118.911 v1(28.685,118.276)
  Top Layer w0.167: v1(-18.14,61.428) -18.169,61.399 -18.169,61.239 -18.203,61.205 -18.203,60.939 -18.1,60.836 JB3A.33@-18.1,60.2
  L4 w0.086: v1(-18.14,61.428) -18.14,61.483 -18.252,61.596 -18.252,62.427 -15.037,65.642 -7.543,65.642 1.119,74.304 1.119,74.497 15.257,88.634 15.257,113.229 20.842,118.814 28.635,118.814 28.685,118.763 v1(28.685,118.276)
GBTCLK0_M2CA_P: J2A.d4 JB3A.31 | length 88.9
  Top Layer w0.118: J2A.d4@28.05,120.181 v1(28.685,119.546)
  Top Layer w0.167: JB3A.31@-18.6,60.2 -18.6,60.836 -18.496,60.939 -18.496,61.205 -18.53,61.239 -18.53,61.399 v1(-18.56,61.428)
  L4 w0.086: v1(-18.56,61.428) -18.56,61.483 -18.447,61.596 -18.447,62.508 -15.118,65.837 -7.623,65.837 0.924,74.385 0.924,74.577 15.062,88.715 15.062,113.309 20.761,119.009 28.635,119.009 28.685,119.059 v1(28.685,119.546)
GBTCLK0_M2CB_N: J2B.d5 JB3B.33 | length 24.5
  Top Layer w0.118: J2B.d5@28.05,-6.368 v4(28.55,-6.868)
  Top Layer w0.167: JB3B.33@26.575,14.5 26.575,13.864 26.678,13.761 26.678,13.495 26.644,13.461 26.644,13.301 v1(26.615,13.272)
  L3 w0.086: v1(26.615,13.272) 26.615,13.216 26.727,13.104 26.727,8.605 27.102,8.23 27.102,1.502 26.492,0.892 26.492,-6.068 26.755,-6.331 28.5,-6.331 28.55,-6.381 v4(28.55,-6.868)
GBTCLK0_M2CB_P: J2B.d4 JB3B.31 | length 24.1
  Top Layer w0.118: J2B.d4@28.05,-5.098 v4(28.55,-5.598)
  Top Layer w0.167: v1(27.035,13.272) 27.005,13.301 27.005,13.461 26.972,13.495 26.972,13.761 27.075,13.864 JB3B.31@27.075,14.5
  L3 w0.086: v1(27.035,13.272) 27.035,13.216 26.922,13.104 26.922,8.686 27.298,8.311 27.298,1.421 26.688,0.811 26.688,-5.987 26.836,-6.135 28.5,-6.135 28.55,-6.084 v4(28.55,-5.598)
GBTCLK1_M2CA_N: J2A.b21 | length 0.9
  Top Layer w0.118: J2A.b21@30.59,98.591 v1(31.225,97.956)
GBTCLK1_M2CA_P: J2A.b20 | length 0.9
  Top Layer w0.118: J2A.b20@30.59,99.861 v1(31.225,99.226)
GBTCLK1_M2CB_N: J2B.b21
GBTCLK1_M2CB_P: J2B.b20